# Altium PCB SEC_3002_DZ&HL.PcbDoc (part 4 of 7)
Units mm, origin at the board's own origin, x right, y up, seen from the top; angles counter-clockwise.
Board outline 200 x 170 mm, 2 copper layers (Top Layer, Bottom Layer); 589 components, 413 nets, 1696 pads, 1215 vias.
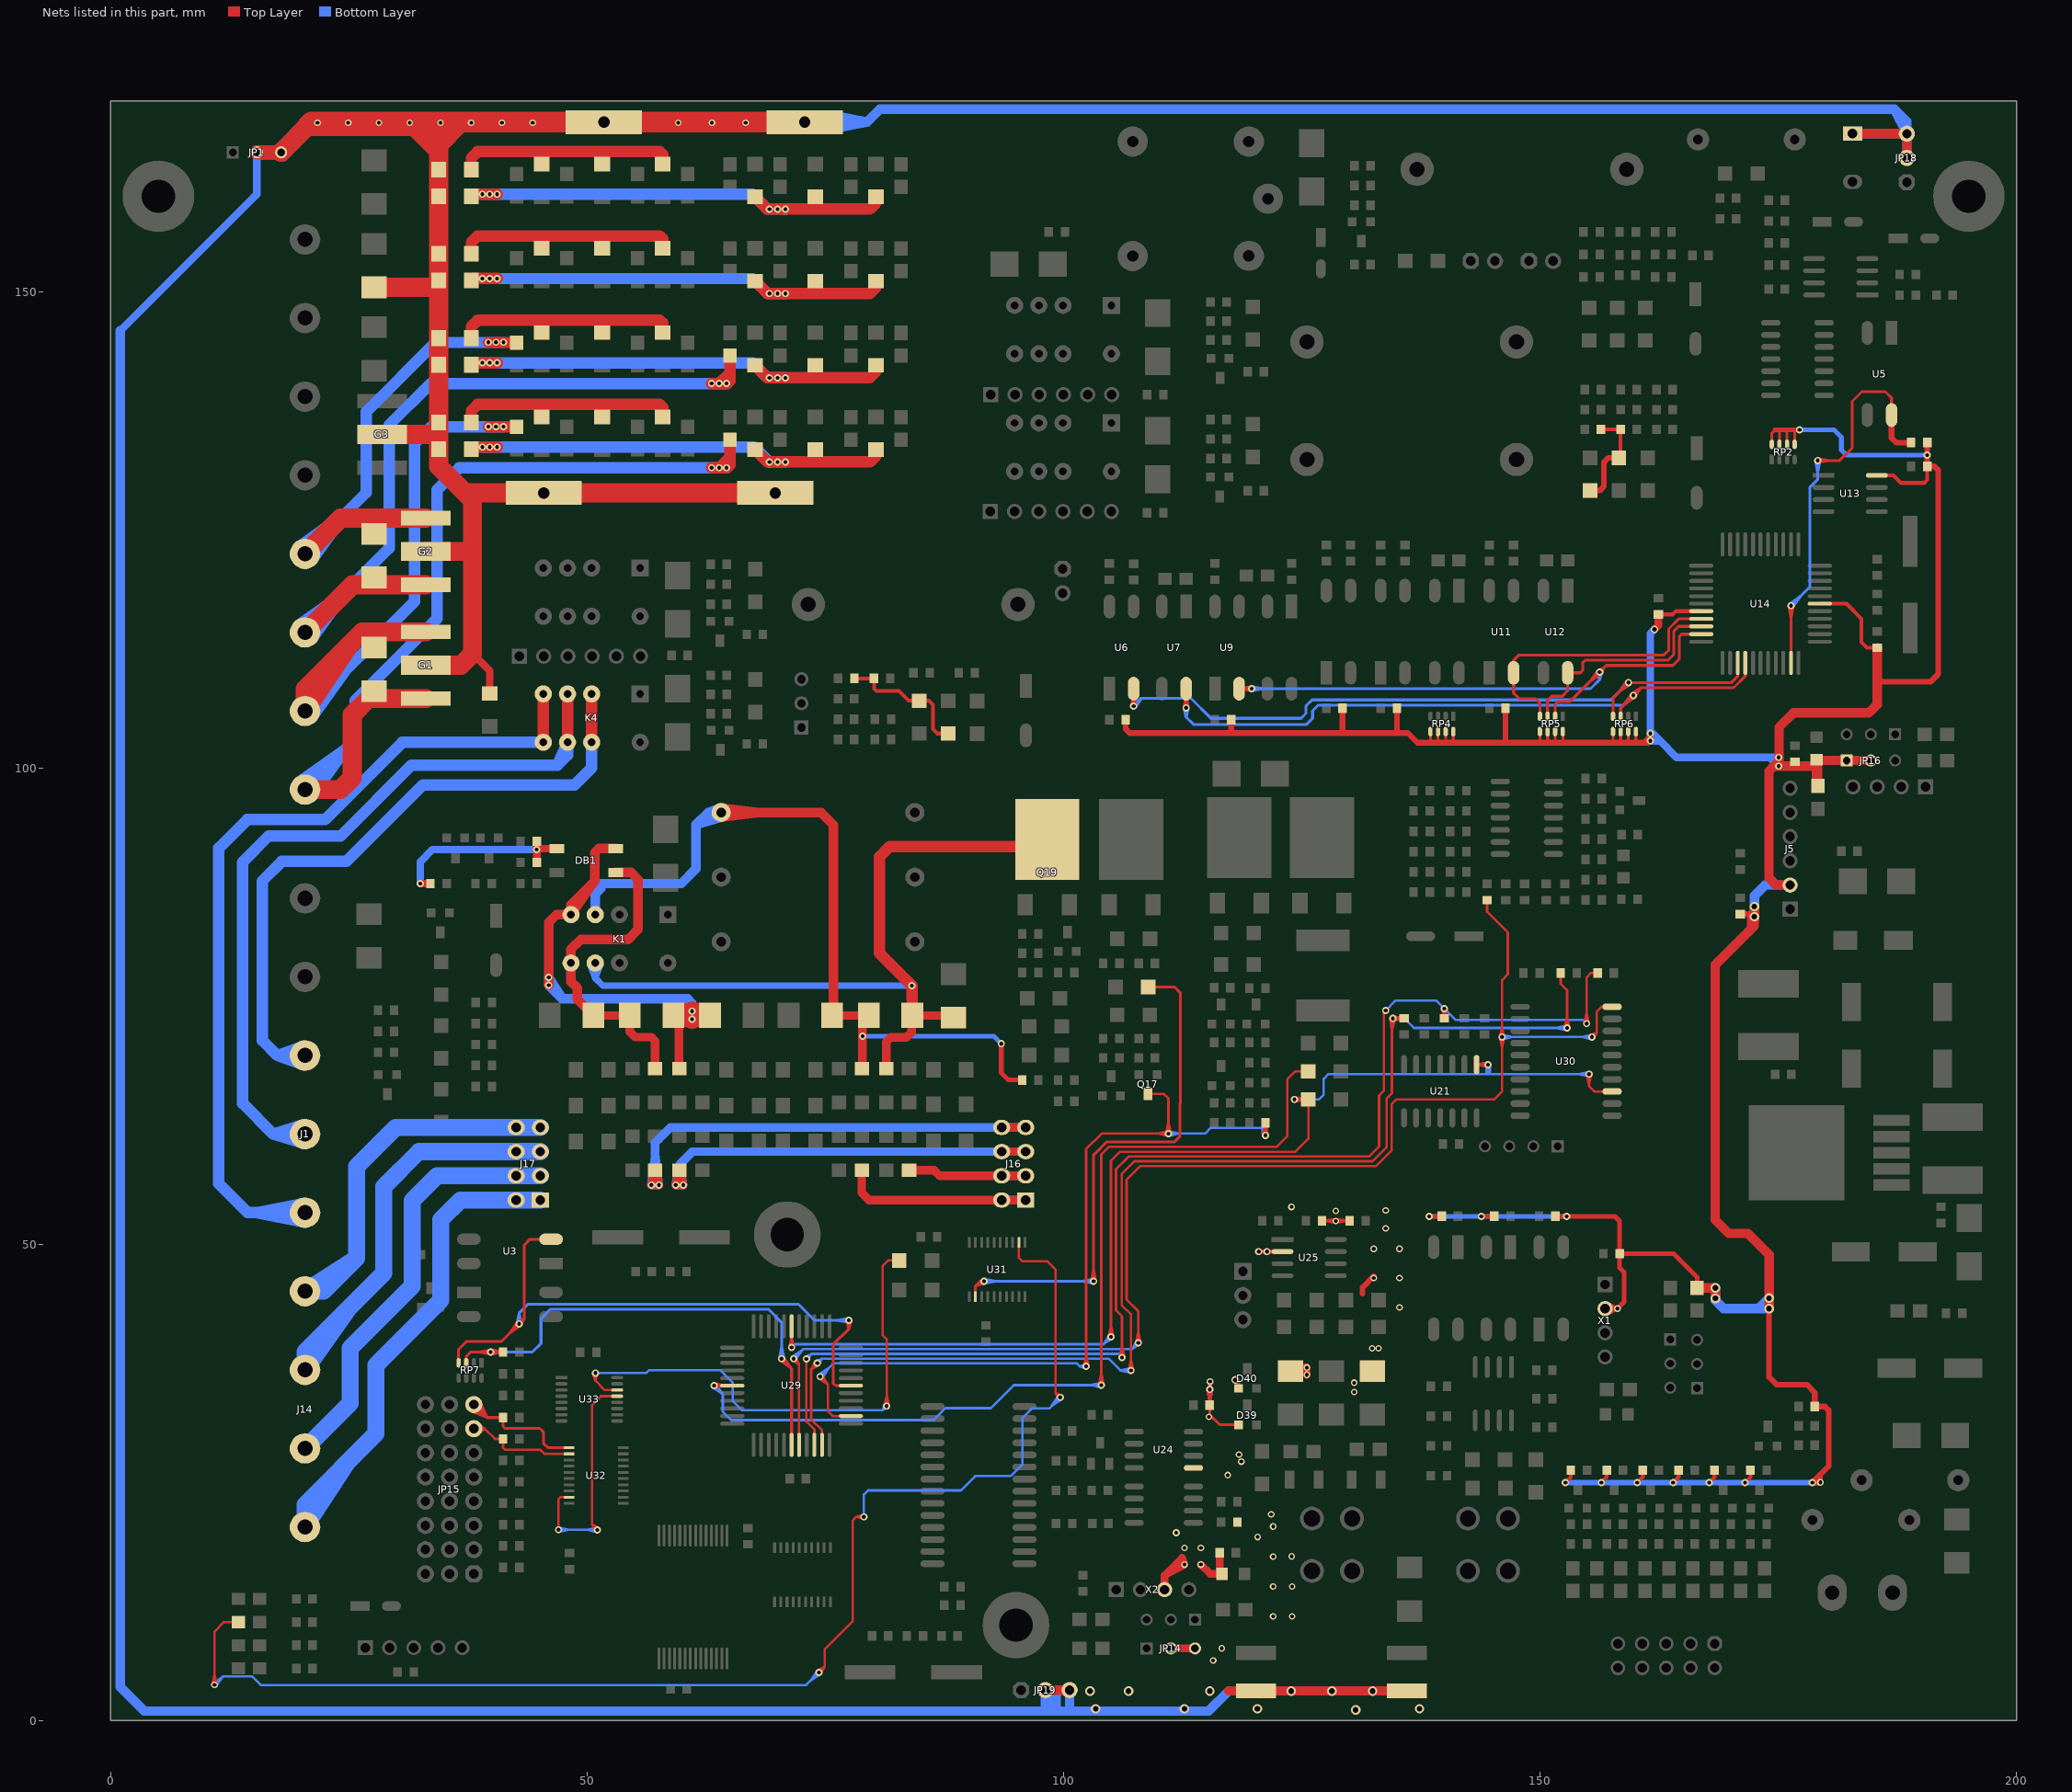
[diagram p4: the nets of this part, all layers, seen from the top]

## Via types
v1: diameter 0.762, hole 0.406, Top Layer to Bottom Layer, tented both sides, 786 vias
v2: diameter 0.7, hole 0.4, Top Layer to Bottom Layer, tented both sides, 375 vias
v3: diameter 1, hole 0.6, Top Layer to Bottom Layer, tented both sides, 41 vias
v4: diameter 0.9, hole 0.5, Top Layer to Bottom Layer, tented both sides, 4 vias
v5: diameter 0.8, hole 0.5, Top Layer to Bottom Layer, tented both sides, 4 vias
v6: diameter 1.016, hole 0.508, Top Layer to Bottom Layer, tented both sides, 3 vias
v7: diameter 0.9, hole 0.6, Top Layer to Bottom Layer, tented both sides, 1 vias
v8: diameter 0.762, hole 0.5, Top Layer to Bottom Layer, tented both sides, 1 vias

## Nets (pads, with @x,y where several pads share a name; then routed paths per layer and width w, separated by ;. In a path a pad name is that pad's centre, name@x,y a point inside that pad or via, vN(x,y) a via of type N, cw(c..) or ccw(c..) an arc to the next point about the centre after c; other vN are vias at no path point) (continued)
"EATHER GND": D51.A G1.2 G2.2 G3.2 JP1.2 JP1.3 JP2.1 JP18.2 JP18.3 JP19.2 JP19.3 pad.1 pad.2 pad.3 pad.4 T8.2 T9.1 VC2.2 VC4.2 VC6.2 VC8.2 VC10.2 VC12.2 VC14.2 VC16.2 VC17.2 | length 822.8
  Top Layer w0.8: 37.965,111.991 39.766,110.191 VC17.2@39.766,107.795
  Top Layer w1: 117.359,3.105 T8.2@120.179,3.105 T9.1@136.027,3.105 ; JP2.1@182.804,166.589 JP18.3@188.474,166.589 ; JP2.1@183.058,166.589 186.82,166.589 ; 184.649,166.589 JP18.3@188.5,166.563 ; JP18.3@188.5,166.563 JP18.2@188.5,164.023 JP18.3@188.5,166.563 ; JP19.2@98.089,3.191 JP19.3@100.629,3.191 JP19.2@98.089,3.191
  Top Layer w1.5: JP1.2@15.338,164.611 JP1.3@17.878,164.611 JP1.2@15.338,164.611
  Top Layer w2: JP1.3@17.878,164.611 20.583,167.317 31.837,167.317 34.41,164.744 ; D51.A@27.631,150.439 VC14.2@34.117,150.439 ; G3.2@28.463,135.004 34.328,135.004 ; G1.2@33.068,110.779 36.753,110.779 37.965,111.991 37.965,128.085 37.188,128.862 ; G2.2@33.068,122.715 37.444,122.715 ; v2@34.335,167.783 34.335,165.457 34.41,165.382 ; 36.81,167.783 34.41,165.382 ; pad.3@42.694,128.862 37.188,128.862 ; pad.3@48.194,128.862 55.444,128.862 ; 59.738,128.862 pad.4@66.988,128.862 ; pad.4@69.738,128.862 pad.3@45.444,128.862 37.188,128.862 ; 34.41,164.744 VC2.2@34.41,162.8 VC4.2@34.41,160 VC16.2@34.41,153.953 VC14.2@34.41,151.153 VC12.2@34.41,145.106 VC10.2@34.41,142.306 VC8.2@34.41,136.259 VC6.2@34.41,133.459 34.41,131.64 37.188,128.862 ; 34.41,164.744 34.41,165.382
  Top Layer w2.2: 20.583,167.317 21.049,167.783 34.335,167.783 36.81,167.783 pad.1@51.755,167.783 pad.2@72.826,167.783 ; v2@41.155,167.783 pad.1@49.005,167.783 ; pad.1@54.505,167.783 62.355,167.783 ; 62.226,167.783 pad.2@70.076,167.783
  Bottom Layer w0.8: 0.989,145.868 15.338,160.218 JP1.2@15.338,164.611 15.338,161.576
  Bottom Layer w1: 0.989,145.868 0.989,3.504 3.506,0.987 115.241,0.987 117.359,3.105 ; pad.2@72.826,167.783 79.366,167.783 ; pad.2@75.576,167.783 79.366,167.783 ; pad.2@75.651,167.036 79.366,167.783 ; pad.2@75.651,168.529 79.366,167.783 ; JP2.1@182.804,166.589 JP18.3@188.474,166.589 ; JP2.1@183.058,166.589 186.82,166.589 ; 184.649,166.589 JP18.3@188.5,166.563 ; JP18.2@188.5,163.705 JP18.2@188.5,164.023 ; 79.366,167.783 80.729,169.146 187.185,169.146 ; JP19.2@98.089,3.191 99.201,3.191 ; JP19.2@98.089,3.191 98.089,1.258 JP19.2@98.089,3.191 ; JP19.2@98.089,3.191 99.201,3.191 ; JP19.2@98.089,3.191 99.201,1.21 99.201,3.191 ; 99.201,3.191 JP19.3@100.629,3.191 ; 99.201,3.191 JP19.3@100.629,3.191 ; JP19.3@100.629,3.191 100.629,1.358 JP19.3@100.629,3.191 ; 187.185,169.146 188.5,167.831 ; 187.185,169.146 JP18.3@188.5,166.563 ; JP18.2@188.5,164.023 JP18.3@188.5,166.563 ; JP18.2@188.5,164.023 JP18.3@188.5,166.563 ; JP18.3@188.5,166.563 188.5,167.831 ; JP18.3@188.5,166.563 188.5,167.831
  Bottom Layer w1.5: JP1.2@15.338,164.611 JP1.3@17.878,164.611 JP1.2@15.338,164.611
  Bottom Layer w2: JP1.3@17.878,164.611 21.049,167.783 pad.1@51.755,167.783 pad.2@72.826,167.783 ; 41.755,167.783 pad.1@49.005,167.783 ; pad.1@54.505,167.783 61.755,167.783 ; v2@62.826,167.783 pad.2@70.076,167.783
  other v2: 21.695,167.71 24.921,167.71 28.147,167.71 31.373,167.71 34.599,167.71 37.824,167.71 41.05,167.71 44.276,167.71 59.556,167.71 63.092,167.71 66.629,167.71
  other v3: 130.651,1.1 103.364,1.216 112.682,1.216 120.338,1.216 137.346,1.216 102.77,3.071 106.811,3.071 115.35,3.071 123.888,3.071 128.158,3.071 132.427,3.071
ETHERFAULTIN: R68.2 U5.4 U14.21 | length 55.9
  Top Layer w0.3: v1@176.113,116.999 176.343,115.739 ; U14.21@176.343,111.011 v1(176.343,117.02) 176.343,115.739 ; v1@176.573,116.999 176.343,115.739 ; v1(179.13,132.263) 181.437,132.263 182.762,133.587 182.762,138.468 183.784,139.49 186.243,139.49 186.894,138.839 U5.4@186.894,137.032 ; v1@179.15,132.032 180.411,132.263 v1@179.15,132.493
  Top Layer w0.6: U5.4@186.894,137.032 186.894,134.629 187.386,134.137 R68.2@188.938,134.137
  Bottom Layer w0.3: v1@176.193,117.195 177.36,118.037 v1@176.519,116.87 ; v1(176.343,117.02) 178.305,118.982 178.305,129.432 179.13,130.257 v1(179.13,132.263) 179.13,130.982 ; v1@178.9,132.242 179.13,130.982 ; v1@179.36,132.242 179.13,130.982
"F.A.O. OPEN&SHORT CHECK": C16.1 D18.A D19.K R40.2 | length 10.8
  Top Layer w0.4: C16.1@156.394,135.529 R40.2@158.456,135.529 D19.K@158.456,132.721
  Top Layer w0.6: D18.A@155.245,129.109 156.272,129.109 156.712,129.549 156.712,132.075 157.175,132.538 D19.K@158.274,132.538
F.A.O.FAULTIN: RP5.3 U12.4 U14.9 | length 24
  Top Layer w0.3: RP5.3@150.79,105.408 150.79,107.097 151.211,107.518 152.334,107.518 152.897,108.081 U12.4@152.897,109.974 154.237,109.974 154.471,110.208 154.471,111.041 154.723,111.294 163.418,111.294 164.052,111.928 164.052,114.351 164.546,114.846 U14.9@166.919,114.846
F.A.O.OUTCTRL: RP5.4 U11.2 U14.8 | length 30.8
  Top Layer w0.3: RP5.4@149.99,105.408 149.99,106.78 149.509,107.261 147.825,107.261 147.222,107.863 U11.2@147.222,109.974 147.222,111.265 147.801,111.844 163.016,111.844 163.502,112.33 163.502,114.579 164.556,115.633 U14.8@166.919,115.633
F.A.O.OUTPUT+: D54.A G2.3 J4.2 L66.1 | length 68.3
  Top Layer w1.2: v1@39.665,144.646 L66.1@42.603,144.646
  Top Layer w2: J4.2@20.387,122.467 24.135,126.215 ; J4.2@21.01,123.09 24.135,126.215 ; G2.3@33.068,126.215 24.135,126.215
  Bottom Layer w1.2: J4.2@19.742,123.231 24.532,126.612 J4.2@21.151,121.822 ; J4.2@20.387,122.467 26.812,128.892 26.812,137.367 34.091,144.646 v1@41.209,144.646
  other v1: 39.639,144.672 40.424,144.672 41.209,144.672
F.A.O.OUTPUT-: D54.K G2.1 J4.1 L62.1 | length 95.5
  Top Layer w1.2: v1(63.057,140.342) v1(63.843,140.342) ; L62.1@64.984,143.288 64.984,141.483 ; v1(63.843,140.342) v1(64.628,140.342) 64.7,140.342 64.984,140.626 64.984,141.483 ; v1(63.843,140.342) 64.984,141.483
  Top Layer w2: J4.1@20.387,114.217 25.385,119.215 G2.1@33.068,119.215
  Bottom Layer w1.2: J4.1@19.742,114.981 24.532,118.362 J4.1@21.151,113.572 ; J4.1@20.387,114.217 29.226,123.056 29.226,135.994 33.574,140.342 v1(63.057,140.342) v1(63.843,140.342) v1(64.628,140.342) v1@64.641,140.342
"F.P.E OPEN&SHORT CHECK": C8.1 D8.A D12.K R18.2 | length 14.2
  Top Layer w0.4: C8.1@78.038,109.385 R18.2@79.978,109.385 ; R18.2@80.104,109.385 80.104,108.298 80.35,108.052 82.727,108.052 83.74,107.039 D12.K@84.851,107.039 85.87,107.039 86.301,106.608 86.301,104.049 86.739,103.61 D8.A@87.873,103.61
F.P.E.FAULTIN: RP6.3 U7.4 U14.15 | length 85.1
  Top Layer w0.3: v1@112.629,106.32 112.859,107.58 v1@113.089,106.32 ; v1(112.859,106.299) U7.4@112.859,108.309 ; RP6.3@158.459,105.408 158.459,106.267 v1(159.794,107.602) ; v1@159.619,107.752 158.777,106.585 ; v1@159.649,107.781 160.596,108.403 ; v1@159.944,107.426 158.777,106.585 ; v1@159.974,107.456 160.596,108.403 ; U14.15@171.542,111.011 171.542,109.63 170.316,108.403 160.596,108.403 ; 158.777,106.585 v1(159.794,107.602) ; v1(159.794,107.602) 160.596,108.403
  Bottom Layer w0.3: v1@112.63,106.272 112.859,105.317 ; v1@113.089,106.272 112.859,105.317 ; v1@159.619,107.752 158.777,106.585 ; v1@159.944,107.426 158.777,106.585 ; 112.859,105.317 v1(112.859,106.299) 112.859,105.317 ; 112.859,105.317 113.616,104.56 125.505,104.56 126.126,105.18 126.126,105.991 126.709,106.574 158.767,106.574 v1(159.794,107.602) 158.777,106.585
F.P.E.OUTCTRL: RP6.4 U6.2 U14.14 | length 87.8
  Top Layer w0.3: v1@107.122,106.502 107.352,107.762 v1@107.582,106.502 ; v1(107.352,106.481) U6.2@107.352,108.309 ; RP6.4@157.659,105.408 157.659,107.327 v1(159.285,108.953) ; v1@159.109,109.103 158.268,107.936 ; v1@159.435,108.777 158.268,107.936 ; U14.14@170.755,111.011 170.755,109.62 170.088,108.953 v1(159.285,108.953) ; 158.268,107.936 v1(159.285,108.953)
  Bottom Layer w0.3: v1@107.206,106.66 108.165,107.295 ; v1(107.352,106.481) 108.165,107.295 ; v1@107.531,106.335 108.165,107.295 ; v1@159.109,109.103 158.268,107.936 ; v1@159.435,108.777 158.268,107.936 ; 108.165,107.295 113.362,107.295 115.463,105.194 124.925,105.194 125.437,105.706 125.437,106.489 126.072,107.124 157.456,107.124 v1(159.285,108.953) 158.268,107.936
F.P.E.OUTPUT+: D52.A G1.3 J3.2 L58.1 | length 85.8
  Top Layer w1.2: v1@39.665,135.799 L58.1@42.603,135.799
  Top Layer w2: 25.142,113.02 J3.2@20.387,105.967 ; G1.3@33.068,114.279 26.401,114.279 20.387,108.265 ; J3.2@20.387,105.967 20.387,108.265 ; J3.2@20.387,105.967 20.387,108.265
  Bottom Layer w1.2: J3.2@19.742,106.731 24.532,110.112 J3.2@21.151,105.322 ; J3.2@20.387,105.967 31.884,117.464 31.884,134.06 33.623,135.799 v1@41.209,135.799
  other v1: 39.639,135.825 40.424,135.825 41.209,135.825
F.P.E.OUTPUT-: D52.K G1.1 J3.1 L54.1 | length 107.1
  Top Layer w1.2: v1(63.057,131.495) v1(63.843,131.495) ; L54.1@64.984,134.441 64.984,132.636 ; v1(63.843,131.495) v1(64.628,131.495) 64.7,131.495 64.984,131.779 64.984,132.636 ; v1(63.843,131.495) 64.984,132.636
  Top Layer w2: J3.1@20.387,97.717 24.089,97.717 25.332,98.959 25.332,105.552 27.058,107.279 G1.1@33.068,107.279
  Bottom Layer w1.2: J3.1@19.742,98.481 24.532,101.862 J3.1@21.151,97.072 ; J3.1@20.387,97.717 25.629,102.959 25.629,107.053 34.239,115.663 34.239,129.167 36.567,131.495 v1(63.057,131.495) v1(63.843,131.495) v1(64.628,131.495) v1@64.641,131.495
"FAULT COM": J1.2 K4.4 K4.9 | length 98.2
  Top Layer w1.2: K4.9@47.933,102.684 K4.4@47.933,107.764 K4.9@47.933,103.262
  Bottom Layer w1.2: J1.2@20.237,60.567 17.038,61.555 ; J1.2@20.237,62.544 17.038,61.555 ; 17.038,61.555 J1.2@20.387,61.555 17.038,61.555 ; 17.038,61.555 13.835,64.759 13.835,90.101 16.578,92.844 24.119,92.844 31.564,100.289 46.875,100.289 ; 46.875,100.289 47.933,101.348 ; 46.875,100.289 K4.9@47.933,102.684 ; 47.933,101.348 K4.9@47.933,102.684 ; 47.933,101.348 K4.9@47.933,102.684 ; 47.933,101.348 K4.9@47.933,102.684
"FAULT NC": J1.3 K4.3 K4.10 | length 85
  Top Layer w1.2: K4.10@50.473,102.684 K4.3@50.473,107.764 K4.10@50.473,103.262
  Bottom Layer w1.2: J1.3@20.215,68.82 17.478,69.805 ; J1.3@20.215,70.79 17.478,69.805 ; 17.478,69.805 J1.3@20.387,69.805 17.478,69.805 ; 17.478,69.805 15.908,71.375 15.908,88.131 17.948,90.171 24.73,90.171 32.776,98.217 48.694,98.217 50.473,99.997 ; 50.473,99.997 K4.10@50.473,102.684 50.473,99.997
"FAULT NO": J1.1 K4.5 K4.8 | length 118.4
  Top Layer w1.2: K4.8@45.393,103.262 K4.5@45.393,107.764 K4.8@45.393,102.684 K4.5@45.393,107.184
  Bottom Layer w1.2: J1.1@20.29,52.31 15.187,53.305 ; J1.1@20.29,54.301 15.187,53.305 ; 40.893,102.684 K4.8@45.393,102.684 30.596,102.684 22.488,94.576 14.33,94.576 11.331,91.577 11.331,56.347 14.372,53.305 J1.1@20.387,53.305 15.187,53.305
FAULTOUTCTRL: RP5.2 U9.2 U14.10 | length 75.1
  Top Layer w0.3: U9.2@118.421,108.309 v1(119.728,108.309) U9.2@118.447,108.309 ; v1@119.707,108.079 U9.2@118.447,108.309 ; v1@119.707,108.539 U9.2@118.447,108.309 ; RP5.2@151.59,105.408 151.59,106.662 151.896,106.968 153.165,106.968 v1(156.254,110.057) ; v1@156.078,110.206 155.236,109.039 ; v1@156.125,110.248 156.678,110.481 ; v1@156.404,109.881 155.236,109.039 ; v1@156.446,109.928 156.678,110.481 ; 164.466,111.265 163.944,110.744 ; U14.10@166.919,114.033 164.865,114.033 164.602,113.77 164.602,111.402 163.944,110.744 ; 155.236,109.039 v1(156.254,110.057) ; v1(156.254,110.057) 156.678,110.481 ; 156.678,110.481 156.941,110.744 163.944,110.744
  Bottom Layer w0.3: v1(119.728,108.309) 155.307,108.309 156.254,109.256 ; v1@119.749,108.079 121.009,108.309 v1@119.749,108.539 ; v1@156.025,110.023 156.254,109.256 ; v1@156.482,110.023 156.254,109.256 ; 156.254,109.256 v1(156.254,110.057) 156.254,109.256
GND1: C85.2 C86.2 VC5.2 VC6.1 | length 49.1
  Top Layer w1.2: VC6.1@38.05,133.67 v1@40.555,133.67 ; C86.2@67.611,133.405 68.907,132.11 79.669,132.11 80.305,132.746 C85.2@80.305,133.405
  Bottom Layer w1.2: v1@38.985,133.664 67.558,133.664 v1(69.13,132.093) ; v1@69.13,132.11 v1@70.781,132.11
  other v1: 69.968,132.093 70.807,132.093 38.985,133.674 39.77,133.674 40.555,133.674
GND2: C87.2 C88.2 VC7.2 VC8.1 | length 25.3
  Top Layer w1.2: VC8.1@37.839,136.259 37.839,137.484 38.494,138.139 45.23,138.139 ; C88.2@45.23,136.834 45.23,138.139 ; VC7.2@51.572,136.834 51.572,138.139 ; C87.2@57.925,136.834 57.925,137.835 57.62,138.139 51.572,138.139 ; 45.23,138.139 51.572,138.139
GND3: C89.2 C90.2 VC9.2 VC10.1 | length 49.1
  Top Layer w1.2: VC10.1@38.05,142.517 v1@40.555,142.517 ; C90.2@67.611,142.252 68.907,140.957 79.669,140.957 80.305,141.593 C89.2@80.305,142.252
  Bottom Layer w1.2: v1@38.985,142.511 67.352,142.511 68.923,140.94 v1(69.13,140.94) ; v1@69.13,140.957 v1@70.781,140.957
  other v1: 69.968,140.94 70.807,140.94 38.985,142.521 39.77,142.521 40.555,142.521
GND4: C91.2 C92.2 VC11.2 VC12.1 | length 25.3
  Top Layer w1.2: VC12.1@37.839,145.106 37.839,146.331 38.494,146.986 45.23,146.986 ; C92.2@45.23,145.681 45.23,146.986 ; VC11.2@51.572,145.681 51.572,146.986 ; C91.2@57.925,145.681 57.925,146.682 57.62,146.986 51.572,146.986 ; 45.23,146.986 51.572,146.986
GND5: C93.2 C94.2 VC13.2 VC14.1 | length 49.1
  Top Layer w1.2: VC14.1@38.05,151.364 v1@40.555,151.364 ; C94.2@67.611,151.099 68.907,149.804 79.669,149.804 80.305,150.44 C93.2@80.305,151.099
  Bottom Layer w1.2: v1@38.985,151.358 67.352,151.358 68.923,149.787 v1(69.13,149.787) ; v1@69.13,149.804 v1@70.781,149.804
  other v1: 69.968,149.787 70.807,149.787 38.985,151.368 39.77,151.368 40.555,151.368
GND6: C95.2 C96.2 VC15.2 VC16.1 | length 25.3
  Top Layer w1.2: VC16.1@37.839,153.953 37.839,155.178 38.494,155.833 45.23,155.833 ; C96.2@45.23,154.528 45.23,155.833 ; VC15.2@51.572,154.528 51.572,155.833 ; C95.2@57.925,154.528 57.925,155.529 57.62,155.833 51.572,155.833 ; 45.23,155.833 51.572,155.833
GND7: C55.2 C59.2 VC1.2 VC2.1 | length 25.3
  Top Layer w1.2: VC2.1@37.839,162.8 37.839,164.025 38.494,164.68 45.23,164.68 ; C59.2@45.23,163.375 45.23,164.68 ; VC1.2@51.572,163.375 51.572,164.68 ; C55.2@57.925,163.375 57.925,164.376 57.62,164.68 51.572,164.68 ; 45.23,164.68 51.572,164.68
GND8: C61.2 C84.2 VC3.2 VC4.1 | length 49.1
  Top Layer w1.2: VC4.1@38.05,160.211 v1@40.555,160.211 ; C84.2@67.611,159.946 68.907,158.651 79.669,158.651 80.305,159.287 C61.2@80.305,159.946
  Bottom Layer w1.2: v1@38.985,160.205 67.352,160.205 68.907,158.651 70.781,158.651 v1@70.807,158.625
  other v1: 69.13,158.634 69.968,158.634 70.807,158.634 38.985,160.215 39.77,160.215 40.555,160.215
GND_CAN1: C57.2 C62.1 C63.2 C66.2 C67.2 D39.B D40.B D41.A D43.K JP14.2 JP14.3 R157.1 U24.5 U25.2 X2.3 | length 52
  Top Layer w0.3: v1@115.105,34.723 C63.2@115.335,33.463 ; v1@115.565,34.723 C63.2@115.335,33.463 ; D39.B@118.34,31.033 116.399,31.033 115.335,32.098 C63.2@115.335,33.082 v1(115.335,34.744) C63.2@115.335,33.463 ; C57.2@127.124,52.465 R157.1@130.007,52.465 ; v2@128.535,52.215 C57.2@127.307,52.465 ; v2@128.551,52.614 C57.2@127.307,52.465 ; v2@128.567,52.614 R157.1@129.811,52.465 ; v2@128.583,52.215 R157.1@129.811,52.465 ; C57.2@127.307,52.465 v2(128.559,52.414) R157.1@129.811,52.465
  Top Layer w0.4: v1@115.366,34.775 v2(115.366,35.57) ; v5(118.013,35.742) 118.34,35.415 D40.B@118.34,34.859 ; v1(120.475,49.213) v1(121.343,49.213) U25.2@122.974,49.213 ; D41.A@124.195,36.286 v2(125.518,36.286)
  Top Layer w0.6: 131.37,44.813 131.37,45.464 v2@132.551,46.645
  Top Layer w0.8: X2.3@110.599,13.726 110.599,15.237 ; v2(114.397,16.361) 115.369,15.389 C67.2@116.612,15.389 ; C67.2@116.387,15.615 C66.2@116.387,17.593 ; D41.A@124.164,37.047 v2(125.518,37.047) v2(125.518,36.286) ; 110.599,15.237 112.433,17.071 v2(112.68,16.361) 110.599,15.237 ; JP14.2@111.255,7.559 JP14.3@113.795,7.559 JP14.2@111.255,7.559
  Bottom Layer w0.3: v1@115.105,34.722 115.335,33.563 ; v1@115.564,34.722 115.335,33.563 ; 115.335,33.563 v1(115.335,34.744) 115.335,33.563
  other v1: 111.82,19.703
  other v2: 115.695,6.298 116.603,7.57 121.991,10.91 123.984,10.91 121.991,14.057 123.984,14.057 121.991,17.204 123.927,17.214 112.68,18.121 114.397,18.121 120.372,19.254 121.991,20.35 121.792,21.646 117.216,25.75 118.652,27.172 118.405,27.897 115.259,31.855 130.489,34.469 130.489,35.45 132.37,39.05 133.064,39.05 135.258,43.363 132.551,46.436 135.258,46.436 132.551,49.508 135.258,49.508 133.797,51.651 128.559,53.475 133.797,53.541 123.917,53.906
INPUT: U32.19 U33.13 | length 33.1
  Top Layer w0.254: v1(46.981,20.022) 46.981,23.209 47.207,23.434 U32.19@48.107,23.434 ; v1@50.869,19.855 50.49,20.588 ; v1@51.224,20.209 50.49,20.588 ; U33.13@53.145,34.033 51.435,34.033 50.49,33.088 50.49,20.588 ; 50.49,20.588 v1(51.074,20.004) 50.49,20.588
  Bottom Layer w0.254: v1(46.981,20.022) v1@51.074,20.022 ; v1@47.01,19.77 48.124,20.022 v1@47.01,20.274 ; v1@51.042,19.752 49.93,20.022 ; v1@51.049,20.257 49.93,20.022 ; v1(51.074,20.004) 49.93,20.022
JUMP1: JP15.A7 R167.1 U32.12 | length 18.5
  Top Layer w0.254: JP15.A7@38.098,30.627 39.246,30.627 ; JP15.A7@38.129,30.363 39.246,30.627 ; JP15.A7@38.129,30.89 39.246,30.627 ; JP15.A7@38.216,30.121 39.246,30.627 ; JP15.A7@38.216,31.132 39.246,30.627 ; JP15.A7@38.359,29.899 39.246,30.627 ; JP15.A7@38.359,31.355 39.246,30.627 ; U32.12@48.107,27.984 45.491,27.984 45.077,28.398 41.395,28.398 41.171,28.622 R167.1@41.171,29.546 40.326,29.546 39.246,30.627